# KiCad board pi50.kicad_pcb (continued)
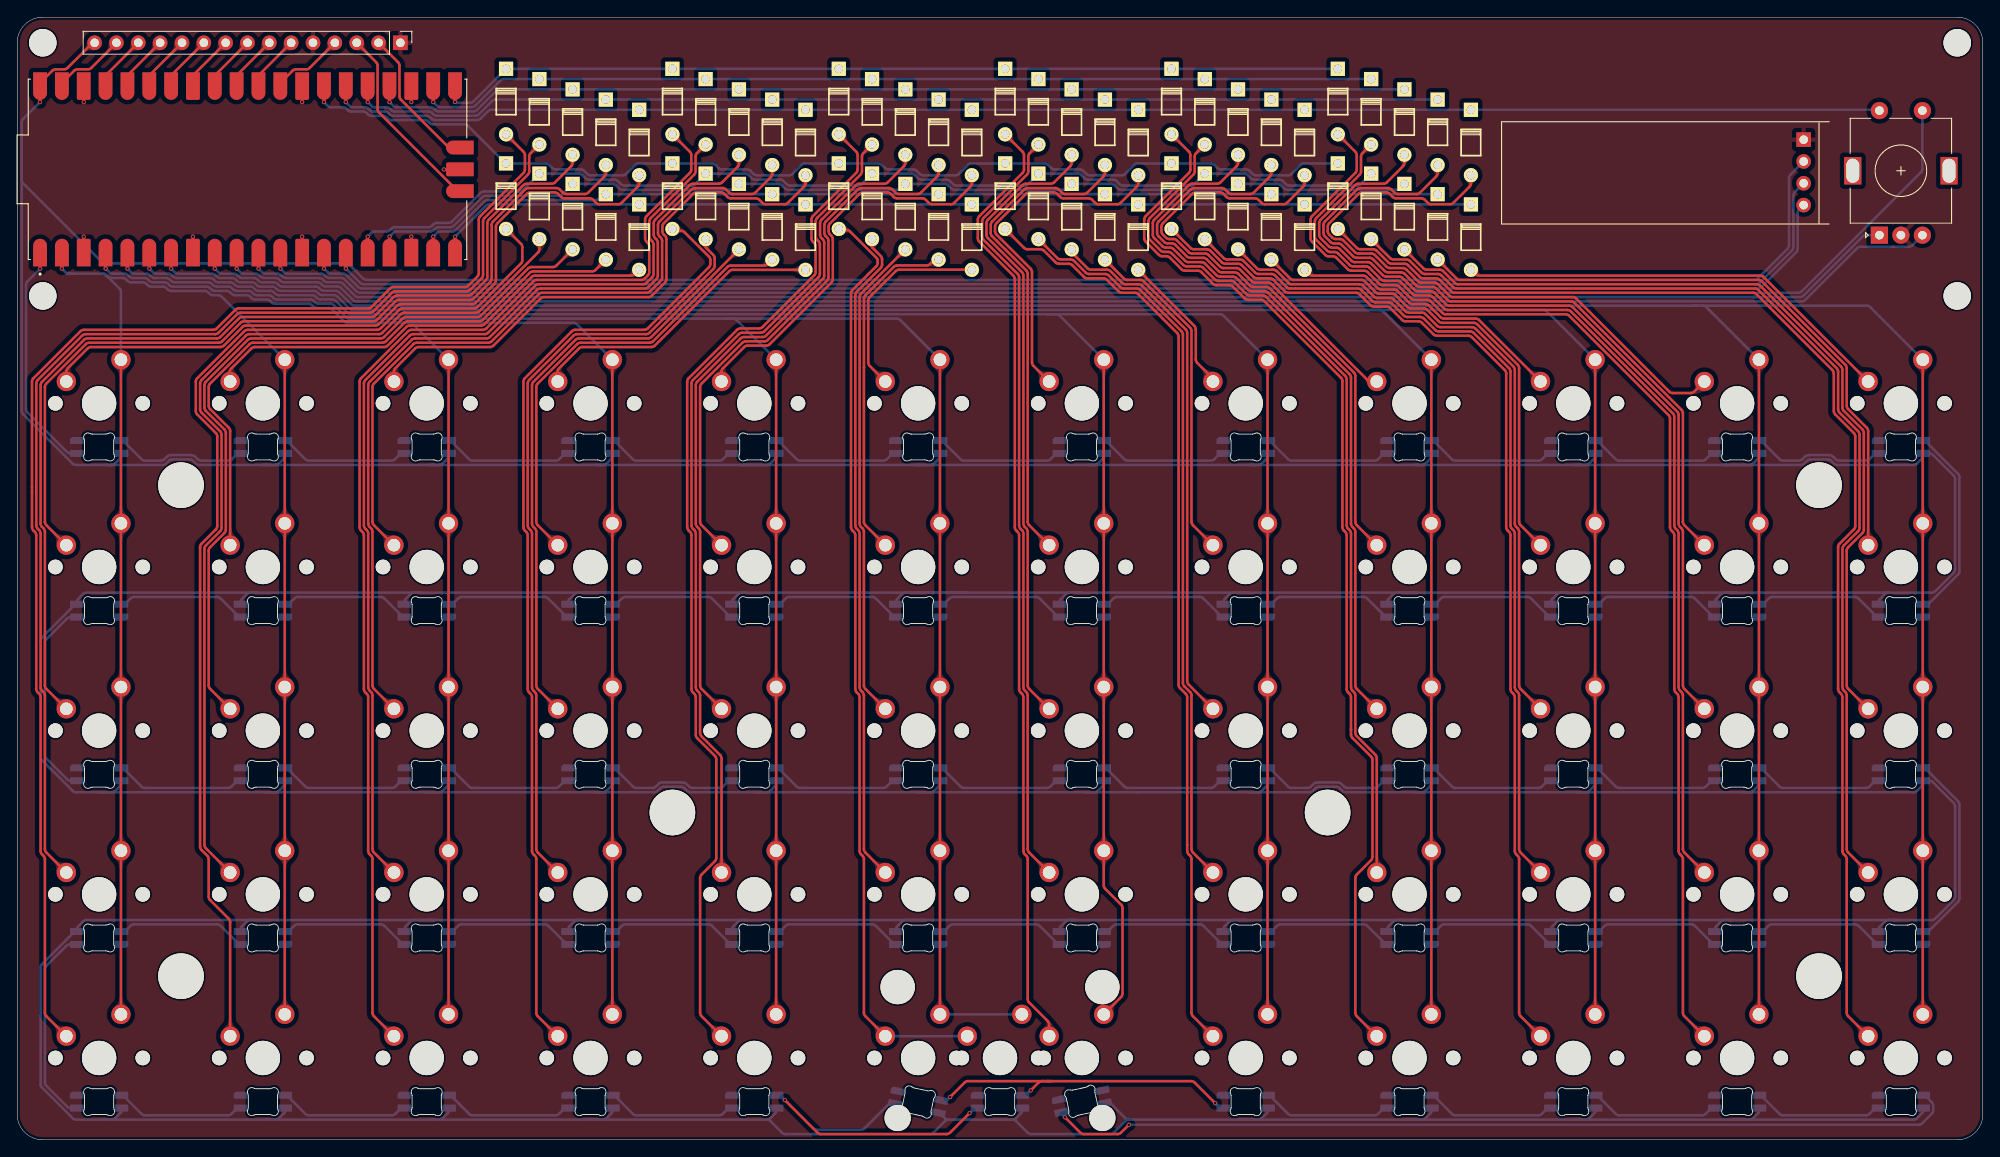
[diagram p0: board, top side]
## Routing (per net, layer and track width the routed paths; a pad name or vN(x,y) marks a point on that pad's centre or on a via; arc(x,y) is an arc through that point) (continued)
Net-(D42-Pad2): length 118.2
  Top w0.3: D42.2 156.44,114.83 arc(156.33,114.66) 156.29,114.45 156.29,112.73 arc(156.24,112.52) 156.13,112.34 151.08,107.29 arc(150.96,107.12) 150.92,106.91 150.92,105.14 arc(150.96,104.93) 151.08,104.76 152.34,103.49 arc(152.52,103.38) 152.73,103.33 153.23,103.33 arc(153.44,103.29) 153.62,103.17 154.97,101.82 arc(155.15,101.7) 155.35,101.66 156.88,101.66 arc(157.08,101.62) 157.26,101.5 158.63,100.13 arc(158.81,100.01) 159.02,99.97 160.54,99.97 arc(160.75,99.93) 160.92,99.81 162.29,98.44 arc(162.47,98.32) 162.68,98.28 164.2,98.28 arc(164.41,98.24) 164.59,98.12 165.96,96.75 arc(166.13,96.63) 166.34,96.59 180.29,96.59 arc(180.5,96.55) 180.68,96.43 192.56,84.55 arc(192.68,84.37) 192.72,84.17 192.72,71.52 arc(192.76,71.31) 192.88,71.14 193.06,70.96 arc(193.18,70.78) 193.22,70.57 193.22,52.68 arc(193.26,52.47) 193.38,52.29 193.56,52.11 arc(193.68,51.94) 193.72,51.73 193.72,33.84 arc(193.76,33.63) 193.88,33.45 K47.1
Net-(D43-Pad2): length 107.1
  Top w0.3: D43.2 60.72,103.66 arc(60.68,103.45) 60.56,103.27 53.73,96.44 arc(53.55,96.32) 53.34,96.28 45.02,96.28 arc(44.81,96.23) 44.64,96.12 42.46,93.94 arc(42.28,93.82) 42.07,93.78 27.01,93.78 arc(26.8,93.74) 26.62,93.62 21.43,88.43 arc(21.31,88.25) 21.27,88.04 21.27,85.03 arc(21.31,84.82) 21.43,84.64 23.61,82.47 arc(23.72,82.29) 23.77,82.08 23.77,71.23 arc(23.72,71.03) 23.61,70.85 21.93,69.17 arc(21.81,69) 21.77,68.79 21.77,34.33 arc(21.81,34.13) 21.93,33.95 K38.1
Net-(D44-Pad2): length 89.3
  Top w0.3: 79.97,104.73 79.97,104.21 arc(80.01,104) 80.13,103.82 80.96,102.99 arc(81.08,102.81) 81.12,102.61 81.12,101.75 arc(81.08,101.54) 80.96,101.37 73.53,93.94 arc(73.35,93.82) 73.14,93.78 65.1,93.78 arc(64.9,93.74) 64.72,93.62 59.53,88.43 arc(59.41,88.25) 59.37,88.04 59.37,71.52 arc(59.41,71.31) 59.53,71.14 59.71,70.96 arc(59.83,70.78) 59.87,70.57 59.87,52.68 arc(59.91,52.47) 60.03,52.29 60.21,52.11 arc(60.33,51.94) 60.37,51.73 60.37,33.84 arc(60.41,33.63) 60.53,33.45 K40.1
Net-(D45-Pad2): length 76.7
  Top w0.3: 99.31,104.73 99.31,104.21 arc(99.35,104) 99.47,103.83 100.42,102.87 arc(100.54,102.7) 100.58,102.49 100.58,101.87 arc(100.54,101.66) 100.42,101.49 97.63,98.69 arc(97.51,98.52) 97.47,98.31 97.47,71.52 arc(97.51,71.31) 97.63,71.14 97.81,70.96 arc(97.93,70.78) 97.97,70.57 97.97,52.68 arc(98.01,52.47) 98.13,52.29 98.31,52.11 arc(98.43,51.94) 98.47,51.73 98.47,33.84 arc(98.51,33.63) 98.63,33.45 K42.1
Net-(D46-Pad2): length 85.4
  Top w0.3: K44.1 136.73,33.45 arc(136.61,33.63) 136.57,33.84 136.57,51.73 arc(136.53,51.94) 136.41,52.11 135.73,52.79 arc(135.61,52.97) 135.57,53.18 135.57,93.72 arc(135.53,93.93) 135.41,94.11 130.59,98.93 arc(130.41,99.05) 130.2,99.09 128.68,99.09 arc(128.47,99.13) 128.3,99.25 126.93,100.62 arc(126.75,100.74) 126.54,100.78 124.66,100.78 arc(124.45,100.82) 124.27,100.94 122.9,102.31 arc(122.72,102.43) 122.52,102.47 121.36,102.47 arc(121.15,102.51) 120.97,102.63 D46.2
Net-(D47-Pad2): length 101.4
  Top w0.3: D47.2 140.32,102.63 arc(140.5,102.51) 140.7,102.47 142.23,102.47 arc(142.43,102.43) 142.61,102.31 143.98,100.94 arc(144.16,100.82) 144.37,100.78 145.89,100.78 arc(146.1,100.74) 146.27,100.62 147.64,99.25 arc(147.82,99.13) 148.03,99.09 155.92,99.09 arc(156.12,99.05) 156.3,98.93 157.6,97.63 arc(157.77,97.51) 157.98,97.47 159.5,97.47 arc(159.71,97.43) 159.89,97.31 161.27,95.93 arc(161.44,95.82) 161.65,95.78 163.17,95.78 arc(163.38,95.73) 163.56,95.62 164.92,94.25 arc(165.1,94.13) 165.31,94.09 168.99,94.09 arc(169.2,94.05) 169.38,93.93 173.51,89.8 arc(173.63,89.62) 173.67,89.41 173.67,71.52 arc(173.71,71.31) 173.83,71.14 174.01,70.96 arc(174.13,70.78) 174.17,70.57 174.17,52.68 arc(174.21,52.47) 174.33,52.29 174.51,52.11 arc(174.63,51.94) 174.67,51.73 174.67,33.84 arc(174.71,33.63) 174.83,33.45 K46.1
Net-(D48-Pad2): length 121.9
  Top w0.3: K48.1 212.93,33.45 arc(212.81,33.63) 212.77,33.84 212.77,51.73 arc(212.73,51.94) 212.61,52.11 212.43,52.29 arc(212.31,52.47) 212.27,52.68 212.27,68.79 arc(212.31,69) 212.43,69.17 214.1,70.85 arc(214.22,71.03) 214.26,71.23 214.26,82.08 arc(214.22,82.29) 214.1,82.47 211.93,84.64 arc(211.81,84.82) 211.77,85.03 211.77,89.41 arc(211.73,89.62) 211.61,89.8 202.48,98.93 arc(202.3,99.05) 202.1,99.09 167.38,99.09 arc(167.17,99.13) 166.99,99.25 165.62,100.62 arc(165.44,100.74) 165.24,100.78 163.71,100.78 arc(163.51,100.82) 163.33,100.94 161.96,102.31 arc(161.78,102.43) 161.57,102.47 160.05,102.47 arc(159.84,102.51) 159.67,102.63 D48.2
Net-(D49-Pad2): length 154.2
  Top w0.3: D49.2 58.89,115 arc(59.01,114.83) 59.05,114.62 59.05,112.93 arc(59.01,112.72) 58.89,112.55 53.84,107.5 arc(53.72,107.32) 53.68,107.11 53.68,100.87 arc(53.64,100.66) 53.52,100.48 52.47,99.43 arc(52.29,99.31) 52.09,99.27 43.78,99.27 arc(43.57,99.23) 43.39,99.11 41.22,96.93 arc(41.04,96.82) 40.83,96.78 25.76,96.78 arc(25.56,96.73) 25.38,96.62 23.2,94.44 arc(23.02,94.32) 22.82,94.28 7.75,94.28 arc(7.54,94.24) 7.36,94.12 1.88,88.64 arc(1.76,88.46) 1.72,88.25 1.72,75.46 1.72,71.31 arc(1.76,71.11) 1.88,70.93 2.06,70.75 arc(2.18,70.57) 2.22,70.36 2.22,52.47 arc(2.26,52.26) 2.38,52.09 2.56,51.91 arc(2.68,51.73) 2.72,51.52 2.72,33.63 arc(2.76,33.42) 2.88,33.24 3.06,33.06 arc(3.18,32.89) 3.22,32.68 3.22,14.78 arc(3.26,14.58) 3.38,14.4 K49.1
Net-(D50-Pad2): length 136
  Top w0.3: K51.1 41.48,14.4 arc(41.36,14.58) 41.32,14.78 41.32,32.68 arc(41.28,32.89) 41.16,33.06 40.98,33.24 arc(40.86,33.42) 40.82,33.63 40.82,51.52 arc(40.78,51.73) 40.66,51.91 40.48,52.09 arc(40.36,52.26) 40.32,52.47 40.32,70.36 arc(40.28,70.57) 40.16,70.75 39.98,70.93 arc(39.86,71.11) 39.82,71.31 39.82,88.25 arc(39.86,88.46) 39.98,88.64 45.46,94.12 arc(45.64,94.24) 45.85,94.28 54.17,94.28 arc(54.38,94.32) 54.55,94.44 60.04,99.93 arc(60.22,100.05) 60.43,100.09 72.59,100.09 arc(72.8,100.13) 72.98,100.25 73.35,100.62 arc(73.46,100.79) 73.51,101 73.51,104 arc(73.46,104.21) 73.35,104.39 73.18,104.55 arc(73.07,104.73) 73.02,104.94 73.02,107.11 arc(73.07,107.32) 73.18,107.5 78.23,112.55 arc(78.35,112.73) 78.39,112.94 78.39,114.62 arc(78.35,114.83) 78.23,115 D50.2
Net-(D51-Pad2): length 118.8
  Top w0.3: K53.1 79.58,14.4 arc(79.46,14.58) 79.42,14.78 79.42,30.48 arc(79.46,30.69) 79.58,30.87 81.15,32.43 arc(81.26,32.61) 81.3,32.81 81.3,44.3 arc(81.26,44.51) 81.15,44.69 79.08,46.75 arc(78.96,46.93) 78.92,47.14 78.92,51.52 arc(78.88,51.73) 78.76,51.91 78.58,52.09 arc(78.46,52.26) 78.42,52.47 78.42,70.36 arc(78.38,70.57) 78.26,70.75 78.08,70.93 arc(77.96,71.11) 77.92,71.31 77.92,88.25 arc(77.96,88.46) 78.08,88.64 83.73,94.28 arc(83.9,94.4) 84.11,94.44 86.29,94.44 arc(86.5,94.48) 86.68,94.6 92.69,100.62 arc(92.81,100.79) 92.85,101 92.85,104 arc(92.81,104.21) 92.69,104.39 92.53,104.55 arc(92.41,104.73) 92.37,104.94 92.37,107.12 arc(92.41,107.33) 92.53,107.51 97.58,112.56 arc(97.7,112.74) 97.74,112.95 97.74,114.62 arc(97.7,114.83) 97.58,115 D51.2
Net-(D52-Pad2): length 111.2
  Top w0.3: K55.1 120.02,13.43 arc(119.97,13.64) 119.86,13.81 117.68,15.99 arc(117.56,16.17) 117.52,16.37 117.52,32.68 arc(117.48,32.89) 117.36,33.06 117.18,33.24 arc(117.06,33.42) 117.02,33.63 117.02,51.52 arc(116.98,51.73) 116.86,51.91 116.68,52.09 arc(116.56,52.26) 116.52,52.47 116.52,70.36 arc(116.48,70.57) 116.36,70.75 116.18,70.93 arc(116.06,71.11) 116.02,71.31 116.02,100.19 arc(115.98,100.39) 115.86,100.57 111.88,104.55 arc(111.76,104.73) 111.72,104.94 111.72,107.11 arc(111.76,107.32) 111.88,107.5 116.93,112.55 arc(117.05,112.72) 117.09,112.93 117.09,114.62 arc(117.05,114.83) 116.93,115 D52.2
Net-(D53-Pad2): length 124.5
  Top w0.3: D53.2 136.28,115 arc(136.4,114.83) 136.44,114.62 136.44,112.93 arc(136.4,112.72) 136.28,112.55 131.23,107.5 arc(131.11,107.32) 131.07,107.11 131.07,104.94 arc(131.11,104.73) 131.23,104.55 132.77,103.01 arc(132.95,102.89) 133.15,102.85 133.66,102.85 arc(133.87,102.81) 134.04,102.69 135.41,101.32 arc(135.59,101.2) 135.8,101.16 137.32,101.16 arc(137.53,101.12) 137.71,101 139.08,99.63 arc(139.25,99.51) 139.46,99.47 140.98,99.47 arc(141.19,99.43) 141.37,99.31 142.74,97.94 arc(142.92,97.82) 143.12,97.78 144.65,97.78 arc(144.85,97.74) 145.03,97.62 153.96,88.69 arc(154.08,88.52) 154.12,88.31 154.12,71.31 arc(154.16,71.11) 154.28,70.93 154.46,70.75 arc(154.58,70.57) 154.62,70.36 154.62,52.47 arc(154.66,52.26) 154.78,52.09 154.96,51.91 arc(155.08,51.73) 155.12,51.52 155.12,47.77 155.12,47.17 arc(155.16,46.96) 155.28,46.79 157.46,44.61 arc(157.57,44.43) 157.62,44.22 157.62,32.93 arc(157.57,32.72) 157.46,32.54 155.78,30.87 arc(155.66,30.69) 155.62,30.48 155.62,14.78 arc(155.66,14.58) 155.78,14.4 K57.1
Net-(D54-Pad2): length 139
  Top w0.3: D54.2 155.63,115 arc(155.74,114.83) 155.79,114.62 155.79,112.93 arc(155.74,112.72) 155.63,112.55 150.58,107.5 arc(150.46,107.32) 150.42,107.11 150.42,104.94 arc(150.46,104.73) 150.58,104.55 152.13,102.99 arc(152.31,102.88) 152.52,102.83 153.02,102.83 arc(153.23,102.79) 153.41,102.68 154.76,101.32 arc(154.94,101.2) 155.15,101.16 156.67,101.16 arc(156.88,101.12) 157.05,101 158.43,99.63 arc(158.6,99.51) 158.81,99.47 160.33,99.47 arc(160.54,99.43) 160.72,99.31 162.09,97.94 arc(162.26,97.82) 162.47,97.78 163.99,97.78 arc(164.2,97.74) 164.38,97.62 165.75,96.25 arc(165.93,96.13) 166.14,96.09 180.09,96.09 arc(180.3,96.05) 180.47,95.93 192.06,84.34 arc(192.18,84.17) 192.22,83.96 192.22,71.31 arc(192.26,71.11) 192.38,70.93 192.56,70.75 arc(192.68,70.57) 192.72,70.36 192.72,52.47 arc(192.76,52.26) 192.88,52.09 193.06,51.91 arc(193.18,51.73) 193.22,51.52 193.22,33.63 arc(193.26,33.42) 193.38,33.24 193.56,33.06 arc(193.68,32.89) 193.72,32.68 193.72,14.78 arc(193.76,14.58) 193.88,14.4 K59.1
Net-(D55-Pad2): length 127.7
  Top w0.3: D55.2 58.59,104.29 arc(58.7,104.12) 58.75,103.91 58.75,102.39 arc(58.7,102.18) 58.59,102 53.52,96.93 arc(53.34,96.82) 53.13,96.78 44.81,96.78 arc(44.61,96.73) 44.43,96.62 42.25,94.44 arc(42.07,94.32) 41.87,94.28 26.8,94.28 arc(26.59,94.24) 26.41,94.12 20.93,88.64 arc(20.81,88.46) 20.77,88.25 20.77,84.82 arc(20.81,84.61) 20.93,84.44 23.11,82.26 arc(23.22,82.09) 23.27,81.88 23.27,71.44 arc(23.22,71.23) 23.11,71.06 21.43,69.38 arc(21.31,69.2) 21.27,68.99 21.27,34.13 arc(21.31,33.92) 21.43,33.74 22.11,33.06 arc(22.23,32.89) 22.27,32.68 22.27,28.29 arc(22.31,28.08) 22.43,27.91 24.61,25.73 arc(24.72,25.56) 24.76,25.35 K50.1
Net-(D56-Pad2): length 111.4
  Top w0.3: K52.1 60.53,14.4 arc(60.41,14.58) 60.37,14.78 60.37,32.68 arc(60.33,32.89) 60.21,33.06 60.03,33.24 arc(59.91,33.42) 59.87,33.63 59.87,51.52 arc(59.83,51.73) 59.71,51.91 59.53,52.09 arc(59.41,52.26) 59.37,52.47 59.37,70.36 arc(59.33,70.57) 59.21,70.75 59.03,70.93 arc(58.91,71.11) 58.87,71.31 58.87,88.25 arc(58.91,88.46) 59.03,88.64 64.51,94.12 arc(64.69,94.24) 64.9,94.28 72.94,94.28 arc(73.14,94.32) 73.32,94.44 80.46,101.58 arc(80.58,101.75) 80.62,101.96 80.62,102.4 arc(80.58,102.61) 80.46,102.78 77.59,105.65 arc(77.42,105.77) 77.21,105.81 76.42,105.81
Net-(D57-Pad2): length 108.5
  Top w0.3: 95.68,105.89 96.47,105.89 arc(96.68,105.85) 96.86,105.73 99.92,102.67 arc(100.04,102.49) 100.08,102.28 100.08,102.08 arc(100.04,101.87) 99.92,101.69 99.02,100.79 arc(99.02,100.79) 99.02,100.79 97.13,98.9 arc(97.01,98.72) 96.97,98.52 96.97,71.31 arc(97.01,71.11) 97.13,70.93 97.31,70.75 arc(97.43,70.57) 97.47,70.36 97.47,52.47 arc(97.51,52.26) 97.63,52.09 97.81,51.91 arc(97.93,51.73) 97.97,51.52 97.97,33.63 arc(98.01,33.42) 98.13,33.24 98.31,33.06 arc(98.43,32.89) 98.47,32.68 98.47,14.78 arc(98.51,14.58) 98.63,14.4 K54.1
  Bottom w0.3: K54.1 K61.1
Net-(D58-Pad2): length 108.3
  Top w0.3: K56.1 136.73,14.4 arc(136.61,14.58) 136.57,14.78 136.57,32.68 arc(136.53,32.89) 136.41,33.06 136.23,33.24 arc(136.11,33.42) 136.07,33.63 136.07,34.34 arc(136.07,34.34) 136.07,34.34 136.07,51.52 arc(136.03,51.73) 135.91,51.91 135.23,52.59 arc(135.11,52.76) 135.07,52.97 135.07,93.51 arc(135.03,93.72) 134.91,93.9 130.38,98.43 arc(130.2,98.55) 130,98.59 128.47,98.59 arc(128.27,98.63) 128.09,98.75 126.72,100.12 arc(126.54,100.24) 126.33,100.28 124.45,100.28 arc(124.24,100.32) 124.07,100.44 122.69,101.81 arc(122.52,101.93) 122.31,101.97 121.15,101.97 arc(120.94,102.01) 120.76,102.13 119.39,103.5 arc(119.22,103.62) 119.01,103.66 117.49,103.66 arc(117.28,103.7) 117.1,103.82 D58.2
Net-(D59-Pad2): length 124.3
  Top w0.3: K58.1 174.83,14.4 arc(174.71,14.58) 174.67,14.78 174.67,32.68 arc(174.63,32.89) 174.51,33.06 174.33,33.24 arc(174.21,33.42) 174.17,33.63 174.17,51.52 arc(174.13,51.73) 174.01,51.91 173.83,52.09 arc(173.71,52.26) 173.67,52.47 173.67,70.36 arc(173.63,70.57) 173.51,70.75 173.33,70.93 arc(173.21,71.11) 173.17,71.31 173.17,89.21 arc(173.13,89.42) 173.01,89.59 169.17,93.43 arc(168.99,93.55) 168.78,93.59 165.1,93.59 arc(164.89,93.64) 164.72,93.75 163.35,95.12 arc(163.18,95.23) 162.97,95.28 161.45,95.28 arc(161.24,95.32) 161.06,95.44 159.68,96.81 arc(159.51,96.93) 159.3,96.97 157.78,96.97 arc(157.57,97.02) 157.39,97.13 156.09,98.43 arc(155.92,98.55) 155.71,98.59 147.82,98.59 arc(147.61,98.63) 147.44,98.75 146.07,100.12 arc(145.89,100.24) 145.68,100.28 144.16,100.28 arc(143.95,100.32) 143.77,100.44 142.4,101.81 arc(142.23,101.93) 142.02,101.97 140.5,101.97 arc(140.29,102.01) 140.11,102.13 138.74,103.5 arc(138.56,103.62) 138.36,103.66 136.83,103.66 arc(136.63,103.7) 136.45,103.82 D59.2
Net-(D60-Pad2): length 144.8
  Top w0.3: D60.2 155.8,103.82 arc(155.97,103.7) 156.18,103.66 157.7,103.66 arc(157.91,103.62) 158.09,103.5 159.46,102.13 arc(159.64,102.01) 159.84,101.97 161.37,101.97 arc(161.57,101.93) 161.75,101.81 163.12,100.44 arc(163.3,100.32) 163.51,100.28 165.03,100.28 arc(165.24,100.24) 165.41,100.12 166.78,98.75 arc(166.96,98.63) 167.17,98.59 201.89,98.59 arc(202.1,98.55) 202.27,98.43 211.11,89.59 arc(211.23,89.42) 211.27,89.21 211.27,84.82 arc(211.31,84.61) 211.43,84.44 213.61,82.26 arc(213.72,82.09) 213.76,81.88 213.76,71.44 arc(213.72,71.23) 213.61,71.06 211.93,69.38 arc(211.81,69.2) 211.77,68.99 211.77,52.47 arc(211.81,52.26) 211.93,52.09 212.11,51.91 arc(212.23,51.73) 212.27,51.52 212.27,33.63 arc(212.31,33.42) 212.43,33.24 212.61,33.06 arc(212.73,32.89) 212.77,32.68 212.77,14.78 arc(212.81,14.57) 212.93,14.4 K60.1
Net-(D61-Pad2): length 15.1
  Bottom w0.3: 12.28,81.4 14.47,79.21 arc(14.64,79.09) 14.85,79.05 16.73,79.05 arc(16.93,79.09) 17.11,79.21 17.44,79.54 arc(17.62,79.66) 17.83,79.7 20.27,79.7 arc(20.48,79.66) 20.66,79.54 20.99,79.21 arc(21.16,79.09) 21.37,79.05 24.58,79.05 arc(24.79,79.09) 24.97,79.21 25.65,79.9
Net-(D62-Pad2): length 14.6
  Bottom w0.3: 44.61,79.9 43.93,79.21 arc(43.75,79.09) 43.54,79.05 33.9,79.05 arc(33.69,79.09) 33.52,79.21 31.33,81.4
Net-(D63-Pad2): length 14.6
  Bottom w0.3: 50.38,81.4 52.57,79.21 arc(52.74,79.09) 52.95,79.05 62.64,79.05 arc(62.85,79.09) 63.03,79.21 63.71,79.9
Net-(D64-Pad2): length 14.6
  Bottom w0.3: 82.74,79.9 82.06,79.21 arc(81.88,79.09) 81.67,79.05 72,79.05 arc(71.79,79.09) 71.61,79.21 69.43,81.4
Net-(D65-Pad2): length 14.6
  Bottom w0.3: 88.48,81.4 90.66,79.21 arc(90.84,79.09) 91.05,79.05 100.74,79.05 arc(100.95,79.09) 101.13,79.21 101.81,79.9
Net-(D66-Pad2): length 14.6
  Bottom w0.3: 120.84,79.9 120.16,79.21 arc(119.98,79.09) 119.77,79.05 110.1,79.05 arc(109.89,79.09) 109.71,79.21 107.53,81.4
Net-(D67-Pad2): length 14.6
  Bottom w0.3: 126.58,81.4 128.76,79.21 arc(128.94,79.09) 129.15,79.05 138.83,79.05 arc(139.04,79.09) 139.22,79.21 139.9,79.9
Net-(D68-Pad2): length 14.6
  Bottom w0.3: 145.63,81.4 147.81,79.21 arc(147.99,79.09) 148.2,79.05 157.87,79.05 arc(158.08,79.09) 158.26,79.21 158.94,79.9
Net-(D69-Pad2): length 14.6
  Bottom w0.3: 178.02,79.9 177.34,79.21 arc(177.16,79.09) 176.95,79.05 167.25,79.05 arc(167.04,79.09) 166.86,79.21 164.68,81.4
Net-(D70-Pad2): length 14.6
  Bottom w0.3: 197.06,79.9 196.38,79.21 arc(196.2,79.09) 195.99,79.05 186.3,79.05 arc(186.09,79.09) 185.91,79.21 183.73,81.4
Net-(D71-Pad2): length 15
  Bottom w0.3: 202.78,81.4 204.96,79.21 arc(205.14,79.09) 205.35,79.05 207.23,79.05 arc(207.44,79.09) 207.61,79.21 207.94,79.54 arc(208.12,79.66) 208.33,79.7 210.77,79.7 arc(210.98,79.66) 211.16,79.54 211.49,79.21 arc(211.66,79.09) 211.87,79.05 215.03,79.05 arc(215.24,79.09) 215.42,79.21 216.1,79.9
Net-(D72-Pad2): length 22.2
  Bottom w0.3: 222.26,62.35 225.72,65.8 arc(225.84,65.98) 225.88,66.19 225.88,77.12 arc(225.84,77.33) 225.72,77.51 221.83,81.4
Net-(D73-Pad2): length 23.1
  Bottom w0.3: D85.4 6.2,41.8 arc(5.99,41.84) 5.82,41.96 3.38,44.39 arc(3.26,44.57) 3.22,44.78 3.22,57.87 arc(3.26,58.07) 3.38,58.25 5.79,60.66 arc(5.97,60.78) 6.17,60.82 6.9,60.82
Net-(D73-Pad4): length 14.6
  Bottom w0.3: 25.82,60.85 23.63,63.03 arc(23.46,63.15) 23.25,63.19 13.58,63.19 arc(13.37,63.15) 13.2,63.03 12.51,62.35
Net-(D74-Pad4): length 14.6
  Bottom w0.3: 31.57,62.35 32.26,63.03 arc(32.43,63.15) 32.64,63.19 42.3,63.19 arc(42.51,63.15) 42.68,63.03 44.87,60.85
Net-(D75-Pad4): length 14.6
  Bottom w0.3: 50.62,62.35 51.31,63.03 arc(51.48,63.15) 51.69,63.19 61.35,63.19 arc(61.56,63.15) 61.73,63.03 63.92,60.85
Net-(D76-Pad4): length 14.6
  Bottom w0.3: 69.66,62.35 70.35,63.03 arc(70.52,63.15) 70.73,63.19 80.4,63.19 arc(80.61,63.15) 80.78,63.03 82.97,60.85
Net-(D77-Pad4): length 14.6
  Bottom w0.3: 88.72,62.35 89.41,63.03 arc(89.58,63.15) 89.79,63.19 99.45,63.19 arc(99.66,63.15) 99.83,63.03 102.02,60.85
Net-(D78-Pad4): length 14.6
  Bottom w0.3: 121.07,60.85 118.88,63.03 arc(118.71,63.15) 118.5,63.19 108.83,63.19 arc(108.62,63.15) 108.45,63.03 107.76,62.35
Net-(D79-Pad4): length 14.6
  Bottom w0.3: 126.83,62.35 127.52,63.03 arc(127.69,63.15) 127.9,63.19 137.55,63.19 arc(137.76,63.15) 137.93,63.03 140.12,60.85
Net-(D80-Pad4): length 14.6
  Bottom w0.3: 159.17,60.85 156.98,63.03 arc(156.81,63.15) 156.6,63.19 146.93,63.19 arc(146.72,63.15) 146.55,63.03 145.86,62.35
Net-(D81-Pad4): length 14.6
  Bottom w0.3: 178.22,60.85 176.03,63.03 arc(175.86,63.15) 175.65,63.19 165.98,63.19 arc(165.77,63.15) 165.6,63.03 164.91,62.35
Net-(D82-Pad4): length 14.6
  Bottom w0.3: 197.27,60.85 195.08,63.03 arc(194.91,63.15) 194.7,63.19 185.02,63.19 arc(184.81,63.15) 184.64,63.03 183.95,62.35
Net-(D83-Pad4): length 14.5
  Bottom w0.3: 216.3,60.85 214.12,63.03 arc(213.94,63.15) 213.73,63.19 204.1,63.19 arc(203.89,63.15) 203.72,63.03 203.03,62.35
Net-(D85-Pad2): length 14.6
  Bottom w0.3: 12.28,43.3 14.47,41.11 arc(14.64,40.99) 14.85,40.95 24.52,40.95 arc(24.73,40.99) 24.91,41.11 25.59,41.8
Net-(D86-Pad2): length 14.6
  Bottom w0.3: 31.33,43.3 33.52,41.11 arc(33.69,40.99) 33.9,40.95 43.59,40.95 arc(43.8,40.99) 43.98,41.11 44.66,41.8
Net-(D87-Pad2): length 14.6
  Bottom w0.3: 63.69,41.8 63.01,41.11 arc(62.83,40.99) 62.62,40.95 52.95,40.95 arc(52.74,40.99) 52.57,41.11 50.38,43.3
Net-(D88-Pad2): length 15
  Bottom w0.3: 69.43,43.3 71.61,41.11 arc(71.79,40.99) 72,40.95 73.88,40.95 arc(74.09,40.99) 74.26,41.11 74.59,41.44 arc(74.77,41.56) 74.98,41.6 77.42,41.6 arc(77.63,41.56) 77.81,41.44 78.14,41.11 arc(78.31,40.99) 78.52,40.95 81.67,40.95 arc(81.88,40.99) 82.06,41.11 82.74,41.8
Net-(D89-Pad2): length 14.6
  Bottom w0.3: 101.79,41.8 101.11,41.11 arc(100.93,40.99) 100.72,40.95 91.05,40.95 arc(90.84,40.99) 90.66,41.11 88.48,43.3
Net-(D90-Pad2): length 14.6
  Bottom w0.3: 120.83,41.8 120.15,41.11 arc(119.97,40.99) 119.76,40.95 110.1,40.95 arc(109.89,40.99) 109.71,41.11 107.53,43.3
Net-(D91-Pad2): length 14.6
  Bottom w0.3: 139.9,41.8 139.22,41.11 arc(139.04,40.99) 138.83,40.95 136.79,40.95 129.15,40.95 arc(128.94,40.99) 128.76,41.11 126.58,43.3
Net-(D92-Pad2): length 15
  Bottom w0.3: 145.63,43.3 147.81,41.11 arc(147.99,40.99) 148.2,40.95 150.08,40.95 arc(150.29,40.99) 150.46,41.11 150.79,41.44 arc(150.97,41.56) 151.18,41.6 153.61,41.6 arc(153.82,41.56) 154,41.44 154.32,41.11 arc(154.5,40.99) 154.71,40.95 157.15,40.95 157.86,40.95 arc(158.07,40.99) 158.25,41.11 158.93,41.8
Net-(D93-Pad2): length 14.6
  Bottom w0.3: 177.98,41.8 177.3,41.11 arc(177.12,40.99) 176.91,40.95 167.27,40.95 arc(167.06,40.99) 166.89,41.11 164.7,43.3
Net-(D94-Pad2): length 14.6
  Bottom w0.3: 197.05,41.8 196.37,41.11 arc(196.19,40.99) 195.98,40.95 186.3,40.95 arc(186.09,40.99) 185.91,41.11 183.73,43.3
Net-(D95-Pad2): length 14.6
  Bottom w0.3: 202.78,43.3 204.96,41.11 arc(205.14,40.99) 205.35,40.95 215.02,40.95 arc(215.23,40.99) 215.41,41.11 216.09,41.8
Net-(D97-Pad4): length 14.6
  Bottom w0.3: 12.51,24.24 13.19,24.92 arc(13.37,25.04) 13.57,25.08 23.26,25.08 arc(23.46,25.04) 23.64,24.92 25.82,22.74
Net-(D98-Pad4): length 14.6
  Bottom w0.3: 44.87,22.74 42.69,24.92 arc(42.51,25.04) 42.31,25.08 32.61,25.08 arc(32.41,25.04) 32.23,24.92 31.55,24.24
Net-(D100-Pad2): length 14.6
  Bottom w0.3: 63.92,22.74 61.74,24.92 arc(61.56,25.04) 61.36,25.08 51.68,25.08 arc(51.48,25.04) 51.3,24.92 50.62,24.24
Net-(D100-Pad4): length 14.6
  Bottom w0.3: 69.67,24.24 70.35,24.92 arc(70.53,25.04) 70.73,25.08 80.41,25.08 arc(80.61,25.04) 80.79,24.92 82.97,22.74
Net-(D101-Pad4): length 14.6
  Bottom w0.3: 88.71,24.24 89.39,24.92 arc(89.57,25.04) 89.77,25.08 99.46,25.08 arc(99.66,25.04) 99.84,24.92 102.02,22.74
Net-(D102-Pad4): length 14.6
  Bottom w0.3: 107.76,24.24 108.44,24.92 arc(108.62,25.04) 108.82,25.08 118.51,25.08 arc(118.71,25.04) 118.89,24.92 121.07,22.74
Net-(D103-Pad4): length 14.6
  Bottom w0.3: 126.82,24.24 127.5,24.92 arc(127.68,25.04) 127.88,25.08 137.56,25.08 arc(137.76,25.04) 137.94,24.92 140.12,22.74
Net-(D104-Pad4): length 14.6
  Bottom w0.3: 159.17,22.74 156.99,24.92 arc(156.81,25.04) 156.61,25.08 146.93,25.08 arc(146.73,25.04) 146.55,24.92 145.87,24.24
Net-(D105-Pad4): length 14.6
  Bottom w0.3: 164.92,24.24 165.6,24.92 arc(165.78,25.04) 165.98,25.08 175.66,25.08 arc(175.86,25.04) 176.04,24.92 178.22,22.74
Net-(D106-Pad4): length 14.6
  Bottom w0.3: 197.27,22.74 195.09,24.92 arc(194.91,25.04) 194.71,25.08 185.03,25.08 arc(184.83,25.04) 184.65,24.92 183.97,24.24
Net-(D107-Pad4): length 14.6
  Bottom w0.3: 203.01,24.24 203.69,24.92 arc(203.87,25.04) 204.07,25.08 213.76,25.08 arc(213.96,25.04) 214.14,24.92 216.32,22.74
Net-(D108-Pad4): length 22.2
  Bottom w0.3: 221.83,43.3 225.72,39.41 arc(225.84,39.23) 225.88,39.02 225.88,28.09 arc(225.84,27.88) 225.72,27.7 222.26,24.24
Net-(D109-Pad2): length 14.6
  Bottom w0.3: 25.59,3.69 24.91,3.01 arc(24.73,2.89) 24.52,2.85 14.85,2.85 arc(14.64,2.89) 14.47,3.01 12.28,5.19
Net-(D109-Pad4): length 23.2
  Bottom w0.3: D97.2 6.11,22.74 arc(5.9,22.7) 5.73,22.59 3.38,20.24 arc(3.26,20.06) 3.22,19.85 3.22,6.68 arc(3.26,6.47) 3.38,6.29 5.82,3.85 arc(5.99,3.74) 6.2,3.69 D109.4
Net-(D110-Pad2): length 14.6
  Bottom w0.3: 31.33,5.19 33.52,3.01 arc(33.69,2.89) 33.9,2.85 43.57,2.85 arc(43.78,2.89) 43.96,3.01 44.64,3.69
Net-(D111-Pad2): length 14.6
  Bottom w0.3: 50.38,5.19 52.57,3.01 arc(52.74,2.89) 52.95,2.85 62.61,2.85 arc(62.82,2.89) 63,3.01 63.68,3.69
Net-(D112-Pad2): length 14.6
  Bottom w0.3: 82.73,3.69 82.05,3.01 arc(81.87,2.89) 81.66,2.85 72,2.85 arc(71.79,2.89) 71.61,3.01 69.43,5.19
Net-(D113-Pad2): length 40.8
  Top w0.3: v1(110.77,3.11) 108.48,0.83 arc(108.31,0.71) 108.1,0.67 93.47,0.67 arc(93.26,0.71) 93.08,0.83 v1(89.28,4.63)
  Bottom w0.3: 88.71,5.19 v1(89.28,4.63) 92.58,1.33 arc(92.76,1.21) 92.97,1.17 98.14,1.17 arc(98.35,1.21) 98.53,1.33 101.62,4.41 ; v1(110.77,3.11) 111.35,3.69
Net-(D114-Pad2): length 37.7
  Top w0.3: 119.97,6.83 119.17,6.83 arc(118.96,6.79) 118.79,6.67 v1(117.87,5.75) ; 119.97,6.83 120.32,6.83 ; 119.97,6.83 arc(119.91,6.83) 119.85,6.83 ; 119.85,6.83 120.32,6.83 ; 119.85,6.83 110.57,6.83 arc(110.36,6.79) 110.19,6.67 v1(108.5,4.98) ; 120.32,6.83 136.54,6.83 arc(136.75,6.79) 136.93,6.67 v1(139.33,4.27)
  Bottom w0.3: v1(139.33,4.27) 139.9,3.69 ; v1(108.5,4.98) 108.11,4.6 ; v1(117.87,5.75) 117.31,5.19
Net-(D115-Pad2): length 14.6
  Bottom w0.3: 158.94,3.69 158.26,3.01 arc(158.08,2.89) 157.87,2.85 148.2,2.85 arc(147.99,2.89) 147.81,3.01 145.63,5.19
Net-(D116-Pad2): length 14.6
  Bottom w0.3: 177.98,3.69 177.3,3.01 arc(177.12,2.89) 176.91,2.85 167.25,2.85 arc(167.04,2.89) 166.86,3.01 164.68,5.19
Net-(D117-Pad2): length 14.6
  Bottom w0.3: 183.73,5.19 185.91,3.01 arc(186.09,2.89) 186.3,2.85 195.96,2.85 arc(196.17,2.89) 196.35,3.01 197.03,3.69
Net-(D118-Pad2): length 14.6
  Bottom w0.3: 216.09,3.69 215.41,3.01 arc(215.23,2.89) 215.02,2.85 205.35,2.85 arc(205.14,2.89) 204.96,3.01 202.78,5.19
Net-(D119-Pad2): length 105.7
  Top w0.3: v1(121.85,2.63) 123.65,0.83 arc(123.83,0.71) 124.03,0.67 127.98,0.67 arc(128.19,0.71) 128.37,0.83 v1(129.29,1.75)
  Bottom w0.3: v1(129.29,1.75) 221.16,1.75 arc(221.37,1.79) 221.55,1.91 222.66,3.03 arc(222.78,3.21) 222.82,3.41 222.82,3.98 arc(222.78,4.18) 222.66,4.36 221.83,5.19 ; v1(121.85,2.63) 121.43,3.04

## Copper pours and planes (outline as drawn; the poured copper is in the pictures)
GND on Top, Bottom: 228.6,0 0,0 0,130.67 228.6,130.67

Small or netless copper shapes (teardrops, artwork), in the pictures only: 259 on Top, 343 on Bottom

## Text on the board
B.Mask: π50
